# Allegro board MB1167.brd (continued)
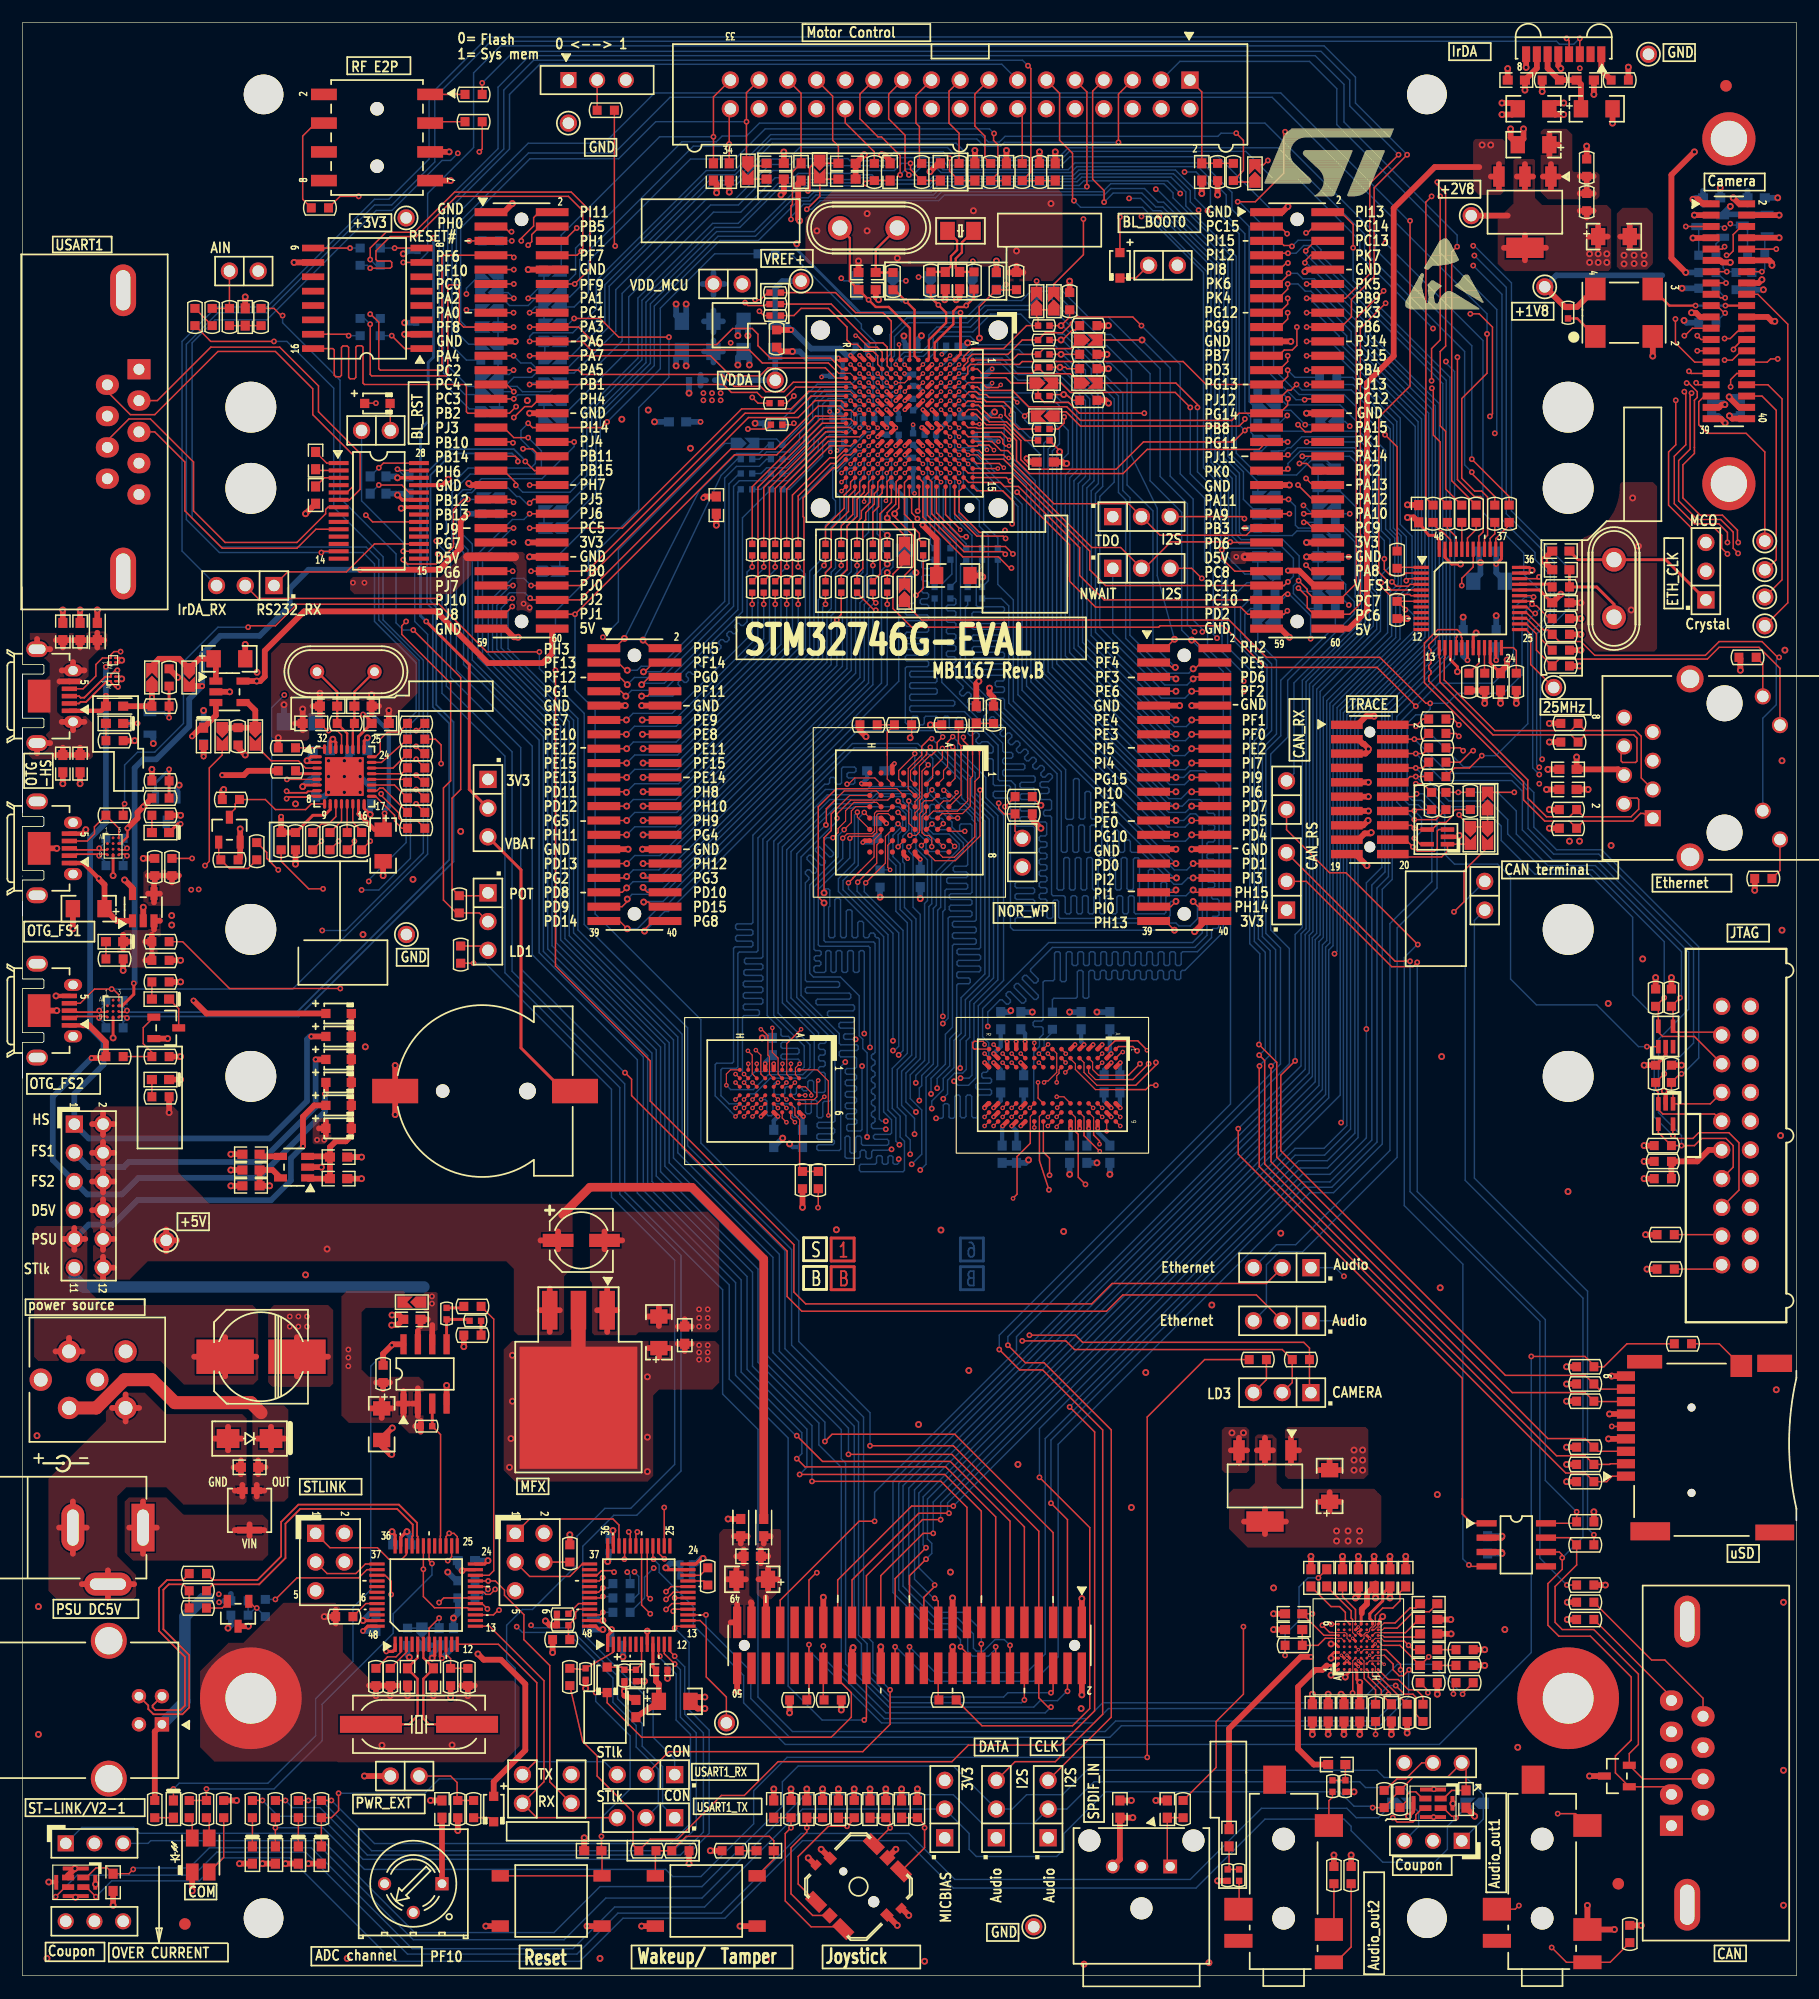
[diagram p0: board, top side]
## Routing (per net, layer and track width the routed paths; a pad name or vN(x,y) marks a point on that pad's centre or on a via; arc(x,y) is an arc through that point) (continued)
  TOP w0.127: U22.42 50.92,33.9 v1(51.31,34.29)
  BOTTOM w0.127: v1(51.31,34.29) 51.82,34.29 R290.2
NETR291_2: length 2.2
  TOP w0.127: v1(51.31,33.53) 51.18,33.53 51.06,33.41 U22.43
  BOTTOM w0.127: v1(51.31,33.53) 52.07,33.53 R291.2
NETR292_2: length 2.7
  TOP w0.127: U21.20 40.91,34.41 v1(41.15,34.16)
  BOTTOM w0.127: R292.2 40.39,33.4 v1(41.15,34.16)
NETR293_1: length 4.3
  TOP w0.127: T3.1 20.59,32.51 v1(20.7,32.51)
  BOTTOM w0.127: R294.1 v1(20.7,32.51) 20.57,32.51 R296.2 R293.1
NETR295_2: length 2.2
  TOP w0.127: v1(51.31,32.13) 51.08,31.9 U22.46
  BOTTOM w0.127: R295.2 v1(51.31,32.13)
NETSB9_2: length 57.9
  TOP w0.127: 91.31,138.3 92.27,138.3 93.54,137.03 107.57,137.03 108.08,137.54 v1(108.08,137.67) ; v1(126.87,143.13) 126.87,132.31 128.37,130.81 128.91,130.81 129.16,130.56 129.16,127.69 128.77,127.29 U6.41
  L4_SIG w0.102: v1(108.08,137.67) 108.2,137.54 112.01,137.54 112.27,137.79 112.27,138.89 113.46,140.08 116.46,140.08 117.96,141.58 125.45,141.58 126.87,143 v1(126.87,143.13)
NETSB14_1: length 117.9
  TOP w0.127: SB14.1 17.65,107.95 16.51,106.81 16.51,98.55 v1(16.13,98.17) ; v1(55.5,32) 54.73,32.77 U22.30
  L4_SIG w0.102: v1(55.5,32) 52.96,29.46 41.4,29.46 37.44,33.43 34.35,33.43 31.11,36.67 31.11,61.63 27.94,64.81 27.94,86.84 27.66,87.12 27.66,93.37 22.55,98.48 16.43,98.48 v1(16.13,98.17)
NETSB15_1: length 6.3
  TOP w0.127: SB15.1 21.97,107.44 24.38,107.44 25.03,106.8 U8.3
NETSB18_1: length 87.2
  TOP w0.089: U23.D3 117.61,27.84 117.61,26.67
  TOP w0.127: SB18.1 129.54,99.8 127.46,97.71 127.46,94.97 v1(126.57,94.08) ; 117.61,26.67 117.61,25.01 v1(117.6,24.99)
  L4_SIG w0.089: 117.73,26.67 117.73,28.7 117.09,29.34 117.09,30.89 116.48,31.5
  L4_SIG w0.102: v1(126.57,94.08) 126.57,93.7 123.1,90.23 122.49,90.23 118.26,86 118.26,78 116,75.74 116,49.4 113.41,46.81 113.41,34.57 116.48,31.5 ; 117.73,26.67 117.73,25.12 v1(117.6,24.99)
NETSB20_2: length 139.7
  TOP w0.127: U25.3 3.77,7.83 v1(2.92,6.99) ; U24.3 123.78,14.82 123.19,14.22 123.19,13.84 122.94,13.59 121.54,13.59 v1(121.16,13.97)
  BOTTOM w0.127: v1(2.92,6.99) 4.83,8.89 15.14,8.89 17.17,10.92 25.02,10.92 34.04,1.91 49.01,1.91 52.64,5.53 61.79,5.53 68.83,12.57 78.37,12.57 82.43,8.51 103.25,8.51 109.54,14.8 117.09,14.8 117.92,13.97 119.89,13.97 SB20.2 v1(121.16,13.97)
NETSB21_1: length 143.6
  TOP w0.127: U24.4 125.65,14.82 126.36,14.1 126.62,14.1 v1(126.75,13.97) ; U25.4 5.63,7.83 v1(6.48,6.99)
  BOTTOM w0.127: v1(6.48,6.99) 7.87,8.38 15.62,8.38 17.65,10.41 23.62,10.41 32.77,1.27 49.28,1.27 53.09,5.08 62.1,5.08 68.96,11.94 78.11,11.94 82.3,7.75 103.76,7.75 109.86,13.84 116.84,13.84 117.47,13.21 117.47,12.83 120.27,10.03 124.84,10.03 125.98,11.18 125.98,13.21 v1(126.75,13.97) 127.51,14.73 127.51,15.11 127.64,15.24
NETSB32_1: length 204.1
  TOP w0.089: U23.E4 118.61,28.83 118.96,28.83 118.96,28.83 119.26,28.83 119.26,28.83 119.46,28.83 119.46,28.83 119.76,28.83 119.76,28.83 120.4,28.83
  TOP w0.127: v1(121.84,27.05) 121.84,27.53 120.55,28.83 120.4,28.83
  L4_SIG w0.102: v1(36.7,125.73) 37.03,126.06 37.03,127.43 35.86,128.6 35.86,143.12 38.61,145.86 38.61,146.81 39.12,147.32 v1(39.24,147.32)
  BOTTOM w0.127: v1(121.84,27.05) 121.92,26.97 121.92,24.83 119.6,22.52 96.65,22.52 95.72,21.59 68.07,21.59 65.02,24.64 65.02,48.31 61.9,51.44 61.9,60.66 53.24,69.32 53.24,78.87 43.28,88.82 43.28,108.23 37.47,114.05 37.47,124.97 v1(36.7,125.73) ; v1(39.24,147.32) SB32.1
NETSB36_1: length 139.1
  TOP w0.127: v1(129.49,145.19) 129.49,141.71 127.25,139.47 127.25,132.44 128.4,131.29 129.01,131.29 129.54,130.76 129.54,127.38 129.27,127.11 U6.40
  BOTTOM w0.127: SB36.1 40.5,144.28 39.44,144.28 38.35,145.36 38.35,154.81 44.73,161.19 52.32,161.19 57.25,166.12 110.49,166.12 121.41,155.19 121.41,155.04 129.49,146.96 v1(129.49,145.19)
NETSB47_2: length 107.9
  TOP w0.127: v1(127.25,122.94) 127.25,123.57 128.27,124.58 U6.42
  L4_SIG w0.102: v1(51.31,118.36) 51.82,118.87 56.69,118.87 58.65,116.92 76.3,116.92 76.66,116.56 98.6,116.56 101.32,119.28 108.76,119.28 111.05,116.99 116.92,116.99 122.86,122.94 v1(127.25,122.94)
  BOTTOM w0.127: v1(51.31,118.36) 52.68,119.74 52.68,126.09 62.1,135.51 SB47.2
NETSB49_1: length 107.3
  TOP w0.127: v1(107.49,74.9) 107.49,72.64 127.3,52.83 127.3,42.16
  TOP w0.155: U20.1 128.14,40.01 127.3,40.84 127.3,42.16
  BOTTOM w0.127: v1(107.49,74.9) 113.04,80.45 113.04,92.14 113.49,92.58 113.49,114.43 118.72,119.66 118.72,121.97 118.41,122.28 118.41,126.95 117.88,127.48 117.88,129.9 SB49.1
NETTP12_1: length 6.7
  TOP w0.127: TP12.1 133.35,115.95 133.35,118.62 132.93,119.04 U6.25
NETU22_15: length 78.7
  TOP w0.089: U23.G3 119.61,28.33 120.4,28.33
  TOP w0.127: 120.4,28.33 120.41,28.33 121.18,27.56 121.18,27.05 121.72,26.52 122.07,26.52 v1(122.61,27.05) ; U22.15 v1(60.42,31.9)
  BOTTOM w0.127: v1(122.61,27.05) 122.56,27 122.56,24.64 120.02,22.1 97.16,22.1 96.14,21.08 67.82,21.08 64.39,24.51 64.39,26.92 60.42,30.89 v1(60.42,31.9)
OSC_IN: length 11.5
  TOP w0.203: X6.2 34.16,22.23 34.92,22.99 34.92,26.25 34.04,27.14 C80.1 34.04,27.22 34.94,28.12 U21.5
OSC_OUT: length 11.9
  TOP w0.203: 39.81,22.23 X6.1 35.94,22.23 35.43,22.73 35.43,26.25 36.32,27.14 C81.1 36.32,27.22 35.44,28.1 U21.6
PA0: length 41
  TOP w0.127: CN5.15 v1(43.41,147.07) ; v5(74.01,141.69) U4.N3
  L4_SIG w0.102: v1(43.41,147.07) 44.07,146.41 45.01,146.41 45.75,145.67 49.96,145.67 52.12,143.51 59.74,143.51 61.42,141.83 63.7,141.83 65.53,140 67.44,140 69.19,141.76 73.94,141.76 v5(74.01,141.69)
  BOTTOM w0.127: SB32.2 SB34.2 SB36.2 ; 42.29,147.07 v1(43.41,147.07)
PA1: length 37.7
  TOP w0.127: CN5.14 v1(44.7,148.34) ; U4.N2 v5(74.01,142.49)
  L4_SIG w0.102: v1(44.7,148.34) 51.05,148.34 53.52,145.87 64.06,145.87 65.41,144.53 68.58,144.53 69.6,143.51 72.48,143.51 73.06,142.93 73.57,142.93 v5(74.01,142.49)
  BOTTOM w0.127: v1(44.7,148.34) 45.59,149.22 SB29.2 SB23.2
PA2: length 38
  TOP w0.127: CN5.13 v1(43.43,148.34) ; U4.P2 v5(73.21,142.49)
  L4_SIG w0.102: v1(43.43,148.34) 44.07,147.7 50.93,147.7 53.11,145.52 61.49,145.52 v1(62.61,144.4) 62.99,144.02 66.16,144.02 67.53,142.65 73.05,142.65 v5(73.21,142.49)
  BOTTOM w0.127: v1(43.43,148.34) 42.93,148.84 SB30.2 SB24.2
PA3: length 108.4
  TOP w0.127: R88.2 34.92,110.11 v1(34.8,110.11) ; v1(44.83,145.8) CN5.18 49.15,145.8 50.7,144.25 61.37,144.25 62.79,145.67 64.52,145.67 65.02,145.16 65.02,144.15 66.12,143.05 71.45,143.05 72.42,142.09 U4.R2
  L4_SIG w0.102: v1(34.8,110.11) 35.1,110.11 35.35,110.36 35.35,110.5 34.81,111.05 34.81,111.19 34.96,111.33 35.1,111.33 35.64,110.79 35.79,110.79 35.93,110.94 35.93,111.08 35.39,111.62 35.39,111.77 35.53,111.91 35.68,111.91 36.22,111.37 36.36,111.37 36.5,111.51 36.5,111.65 35.96,112.2 35.96,112.34 36.11,112.48 36.25,112.48 36.79,111.94 36.94,111.94 37.08,112.09 37.08,112.23 36.54,112.77 36.54,112.92 36.68,113.06 36.83,113.06 37.37,112.52 37.51,112.52 37.8,112.8 37.8,130.66 37.08,131.37 37.08,138.15 37.8,138.86 37.8,142.65 38.1,142.95 42.81,142.95 42.93,143.07 42.93,143.24 42.81,143.36 39.12,143.36 38.99,143.48 38.99,143.69 39.12,143.81 43.06,143.81 43.18,143.93 43.18,144.1 43.06,144.22 39.87,144.22 39.75,144.34 39.75,144.51 39.87,144.63 42.93,144.63 43.05,144.75 43.05,144.91 42.93,145.03 40.51,145.03 40.39,145.15 40.39,145.32 40.51,145.44 42.81,145.44 42.93,145.56 42.93,145.73 42.81,145.85 40.51,145.85 40.39,145.97 40.39,146.18 40.51,146.3 43.69,146.3 44.2,145.8 v1(44.83,145.8)
PA4: length 162.7
  TOP w0.127: U4.N4 v5(74.01,140.89) ; CN4.31 147.54,141.69 v1(147.35,141.88) ; CN5.21 v1(43.41,143.26)
  L4_SIG w0.102: v5(74.01,140.89) 71.24,140.89 69.48,139.13 64.25,139.13 62.51,140.87 58.19,140.87 56.57,142.49 51.61,142.49 50.22,143.89 44.04,143.89 v1(43.41,143.26) ; v1(147.35,141.88) 145.41,143.81 143.89,143.81 141.63,146.08 125.12,146.08 v1(124.71,145.67)
  BOTTOM w0.127: v1(43.41,143.26) 44.04,142.62 44.96,142.62 45.42,142.16 48.18,142.16 51.87,145.85 51.87,149.4 60.83,158.37 63.12,158.37 65.41,160.66 67.69,160.66 68.71,161.67 81.79,161.67 82.93,160.53 91.74,160.53 92.55,161.33 108.16,161.33 110.57,158.93 112.75,158.93 118.24,153.44 118.24,152.15 v1(124.71,145.67)
PA5: length 108.9
  TOP w0.127: U4.P4 73.61,140.49 73.18,140.92 68.15,140.92 67.31,140.08 65.71,140.08 65.24,140.55 62.9,140.55 61.85,141.6 49.53,141.6 49.15,141.99 CN5.24 v1(44.83,141.99) ; R126.2 v1(30.73,100.33)
  L4_SIG w0.102: v1(30.73,100.33) 32.46,100.33 32.59,100.46 32.59,108.97 32.72,109.09 34.54,109.09 38.18,112.73 38.18,135.11 38.07,135.21 37.52,135.21 37.41,135.31 37.41,135.51 37.52,135.62 38.07,135.62 38.18,135.72 38.18,135.92 38.07,136.02 37.52,136.02 37.41,136.12 37.41,136.33 37.52,136.43 38.07,136.43 38.18,136.53 38.18,136.73 38.07,136.83 37.52,136.83 37.41,136.94 37.41,137.14 37.52,137.24 38.07,137.24 38.18,137.34 38.18,137.55 38.07,137.65 37.52,137.65 37.41,137.75 37.41,137.95 37.52,138.05 38.07,138.05 38.18,138.16 38.18,141.55 38.23,141.6 42.67,141.6 42.8,141.73 42.8,142.04 42.68,142.16 38.2,142.16 38.1,142.27 38.1,142.49 38.23,142.62 49.15,142.62 49.28,142.49 49.28,142.11 49.15,141.99 v1(44.83,141.99)
PA6: length 109.3
  TOP w0.102: 71.63,142.24 72.16,141.71 73.19,141.71 U4.P3
  TOP w0.127: SB5.2 107.19,158.62 R14.2 107.95,159.64 107.95,162.31 v1(107.31,162.94) ; 71.63,142.24 71.25,142.62 65.41,142.62 64.26,143.76 50.27,143.76 49.5,144.53 CN5.20 v1(44.83,144.53)
  BOTTOM w0.127: v1(107.31,162.94) 105.97,162.94 105.69,162.66 86.87,162.66 86.36,162.15 85.39,162.15 84.73,162.81 66.14,162.81 62.97,159.64 60.45,159.64 50.72,149.91 50.72,147.37 48.64,145.29 45.15,145.29 44.83,144.97 v1(44.83,144.53)
PA7: length 32
  TOP w0.127: v1(44.83,143.26) CN5.22 60.83,143.26 62.61,141.48 65.2,141.48 65.91,142.19 70.98,142.19 71.88,141.29 U4.R3
  BOTTOM w0.127: 46.18,144.45 46.18,143.18 44.91,143.18 v1(44.83,143.26)
PA8: length 49.2
  TOP w0.127: v1(86.89,125.7) 86.66,125.93 83.24,125.93 80.01,129.16 U4.F15 ; CN6.52 114.02,124.21 v1(113.49,124.74)
  L4_SIG w0.102: v1(113.49,124.74) 113.03,125.2 113.03,127.13 110.49,129.67 106.88,129.67 103.68,126.47 89.18,126.47 88.01,125.3 87.3,125.3 v1(86.89,125.7)
  BOTTOM w0.127: v1(113.49,124.74) 114.27,123.95 SB60.2 SB57.2 SB56.2
PA9: length 41.4
  TOP w0.127: U4.E15 80.81,129.38 82.93,127.25 v1(83.44,127.25) ; CN6.43 v1(112.01,129.29)
  L4_SIG w0.102: v1(112.01,129.29) 111.76,129.29 110.74,130.3 106.32,130.3 103.05,127.03 88.8,127.03 88.16,126.39 85.93,126.39 85.07,127.25 v1(83.44,127.25)
  BOTTOM w0.127: v1(112.01,129.29) SB54.2 R261.1
PA10: length 302
  TOP w0.127: v1(45.69,117.07) 41.05,117.07 36.83,121.28 24.26,121.28 22.35,119.38 20.07,119.38 v1(19.94,119.25) ; v1(76.71,25.27) 76.71,22.23 74.3,19.81 57.15,19.81 JP14.2 ; R117.2 8.89,103.5 v1(9.02,103.63) ; U4.D15 81.61,129.21 82.91,127.91 v5(82.91,127.86) ; v1(113.28,129.29) CN6.44
  L4_SIG w0.102: v1(45.69,117.07) 45.95,117.32 46.41,117.32 49.73,120.65 57.91,120.65 59.82,118.75 96.14,118.75 98.3,120.9 108.66,120.9 110.46,122.71 112.12,122.71 112.6,122.22 112.98,122.22 114.07,123.32 114.07,128.6 113.39,129.29 v1(113.28,129.29) 112.67,129.29 112.17,129.79 111.73,129.79 110.87,130.66 106.2,130.66 102.87,127.33 88.67,127.33 88.01,126.67 86.39,126.67 85.19,127.86 v5(82.91,127.86)
  BOTTOM w0.127: v1(9.02,103.63) 9.02,107.06 10.16,108.2 11.68,108.2 14.22,110.74 14.22,116.2 17.27,119.25 v1(19.94,119.25) ; v1(45.69,117.07) 45.69,115.6 49.66,111.63 49.66,92.96 58.8,83.82 58.8,73.41 68,64.21 68,55.75 74.36,49.39 74.36,30.29 75.18,29.46 75.18,26.8 v1(76.71,25.27)
PA11: length 204
  TOP w0.127: U4.C15 82.41,129.27 84.38,127.3 86.72,127.3 v1(86.92,127.1) ; v1(111.94,130.56) CN6.41
  TOP w0.155: D5.D3 8.56,99.18 9.09,99.18 v1(9.23,99.04)
  L4_SIG w0.102: v1(86.92,127.1) 87.12,127.3 87.6,127.3 88.01,127.71 102.41,127.71 105.74,131.04 111.46,131.04 v1(111.94,130.56)
  L4_SIG w0.13: v1(9.23,99.04) 9.37,99.18 9.97,99.18 10.41,99.62 24.02,99.62 25.62,98.02 33.43,98.02 38.43,103.02 38.43,105.15 48.26,114.98 48.26,117.09 50.63,119.46 57.35,119.46 59.05,117.75 97.06,117.75 99.4,120.09 109.23,120.09 110.47,121.34 113.44,121.34 115.19,123.09 115.19,130.18 114.38,130.99 112.98,130.99 112.5,130.51 111.99,130.51 v1(111.94,130.56)
  BOTTOM w0.127: v1(111.94,130.56) 112.55,129.95 112.55,128.27 112.8,128.02 116.59,128.02 117.83,126.77 117.83,121.95 118.11,121.67 118.11,120.02 112.42,114.33 112.42,106.32 JP8.1 ; v1(9.23,99.04) 8.89,98.7 R284.2
  BOTTOM w0.155: 110.74,130.56 v1(111.94,130.56)
PA12: length 43.7
  TOP w0.127: CN6.42 114.05,130.56 v1(112.78,131.83) ; v1(86.87,127.81) 86.69,127.64 84.61,127.64 82.8,129.44 82.8,131.28 U4.B15
  L4_SIG w0.102: v1(86.87,127.81) 87.05,127.64 87.48,127.64 87.86,128.02 102.23,128.02 105.54,131.32 112.27,131.32 v1(112.78,131.83)
  BOTTOM w0.127: v1(112.78,131.83) 114.43,130.18 SB52.2 SB49.2 SB48.2
PA13: length 272.4
  TOP w0.127: v1(113.49,132.41) 114.07,131.83 CN6.40 ; U21.25 38.44,38.82 38.14,39.12 v1(37.72,39.12) 37.44,38.83 U21.27 ; v1(127,110.62) 126.49,111.12 R86.2 ; v1(87.5,128.4) 87.63,128.52 87.63,130.35 86.66,131.32 84.38,131.32 U4.A15 ; v1(150.75,125.73) 150.24,126.24 150.24,127.38 149.61,128.02 147.57,128.02 145.54,130.05 145.54,134.75 146.18,135.38 v1(146.18,139.32)
  L4_SIG w0.102: v1(146.18,139.32) 146.08,139.22 145.9,139.22 140.11,145.01 132.84,145.01 120.24,132.41 v1(113.49,132.41) 113.13,132.77 111.46,132.77 111.12,133.1 98.45,133.1 94.59,129.24 88.34,129.24 v1(87.5,128.4) ; v1(37.72,39.12) 37.72,37.74 39.62,35.84 39.62,34.8 40.82,33.6 41.66,33.6 42.62,32.64 48.34,32.64 49.53,33.83 49.53,38.38 51.92,40.77 57.28,40.77 58.17,41.66 74.07,41.66 75.79,43.38 77.9,43.38 114.4,79.88 114.4,88.06 125.96,99.62 125.96,100.43 126.9,101.37 127.76,101.37 129.06,102.67 129.06,104.88 126.49,107.44 126.49,110.11 v1(127,110.62) 132.08,110.62 133.73,112.27 135.27,112.27 139.74,116.74 142.48,116.74 146.16,120.42 149.69,120.42 150.75,121.48 v1(150.75,125.73)
PA14: length 269.8
  TOP w0.127: v1(42.13,32.32) 42.11,32.31 42.04,32.31 41.63,31.9 U21.15 ; U21.26 37.94,37.05 v1(37.59,36.7) ; v1(127,109.6) 126.75,109.86 R93.2 ; CN6.36 v1(113.16,134.37) ; U4.A14 86.98,132.49 87.28,132.18 v1(87.35,132.18) ; v1(150.75,126.75) 150.75,127.64 149.99,128.4 147.83,128.4 146.05,130.18 146.05,134.37 147.07,135.38 147.07,139.95 v1(146.94,140.08)
  L4_SIG w0.102: v1(146.94,140.08) 145.54,140.08 140.31,145.31 132.54,145.31 121.59,134.37 v1(113.16,134.37) 112.78,134.37 112.01,135.13 97.74,135.13 94.75,132.14 87.39,132.14 v1(87.35,132.18) ; v1(150.75,126.75) 151.26,126.24 151.26,121.63 149.8,120.17 146.27,120.17 142.58,116.48 139.84,116.48 135.37,112.01 133.99,112.01 132.11,110.13 127.53,110.13 v1(127,109.6) 126.9,109.5 126.9,107.59 129.46,105.03 129.46,102.41 114.81,87.76 114.81,79.68 78.08,42.95 76.12,42.95 72.54,39.37 56.13,39.37 55.12,40.39 52.02,40.39 49.89,38.25 49.89,33.68 48.53,32.32 v1(42.13,32.32) 42.05,32.32 41.86,32.51 41.86,32.84 41.43,33.27 40.64,33.27 38.23,35.69 38.23,36.07 v1(37.59,36.7)
PA15: length 266.8
  TOP w0.127: v1(112.78,137.16) 113.41,136.53 113.92,136.53 114.3,136.91 CN6.32 ; U21.17 40.63,32.9 v1(41.1,32.44) ; R101.2 127.13,107.31 128.14,108.33 v1(128.27,108.33) ; v1(151.7,126.75) 151.64,126.81 151.64,127.82 150.3,129.16 148.34,129.16 146.81,130.68 146.81,133.6 147.83,134.62 147.83,134.84 147.83,139.32 148.08,139.57 148.08,140.07 147.31,140.84 v1(147.14,140.84) ; U4.A13 v5(86.23,133.29)
  L4_SIG w0.102: v1(151.7,126.75) 151.7,126.68 152.27,126.11 152.27,121.59 149.81,119.13 146.3,119.13 142.9,115.72 140.16,115.72 135.69,111.25 134.37,111.25 132.14,109.03 128.59,109.03 128.27,108.71 v1(128.27,108.33) 128.14,108.2 128.14,107.64 130.07,105.71 130.07,102.01 115.44,87.38 115.44,79.27 74.85,38.68 55.8,38.68 54.74,39.75 53.34,39.75 50.77,37.19 50.77,33.25 48.39,30.86 45.97,30.86 45.19,31.65 41.78,31.65 41.1,32.33 v1(41.1,32.44) ; v5(86.23,133.29) 86.55,132.97 94.06,132.97 97.23,136.14 108.46,136.14 109.09,136.78 112.27,136.78 112.65,137.16 v1(112.78,137.16) 114.43,135.51 122.12,135.51 132.36,145.75 140.28,145.75 145.19,140.84 v1(147.14,140.84)
PAR_D0: length 120.4
  TOP w0.127: v1(112.81,122.71) 113.59,121.93 113.59,120.98 114.17,120.4 CN6.58 117.35,120.4 118.29,121.34 118.29,145.67 v1(120.52,147.9) ; U4.H15 78.41,130.81 78.61,130.61 78.61,129.36 v1(79.12,128.85) ; v1(146.94,145.03) 146.99,145.03 147.65,145.69 CN4.23 ; JP4.3 107.86,129.03 v1(108.04,128.85)
  L4_SIG w0.102: v1(112.81,122.71) 112.81,122.72 112.39,123.14 112.39,126.87 110.41,128.85 v1(108.04,128.85) 108.03,128.84 107.53,128.84 107.31,128.63 107.31,126.62 106.22,125.53 89.76,125.53 88.19,123.95 87.2,123.95 86,125.15 83.34,125.15 79.63,128.85 v1(79.12,128.85) ; v1(120.52,147.9) 122.56,147.9 123.01,147.45 141.99,147.45 144.17,145.26 146.71,145.26 v1(146.94,145.03)
  BOTTOM w0.127: v1(112.81,122.71) 112.88,122.71 113.16,122.43 SB62.1
PAR_D1: length 174.2
  TOP w0.127: v1(150.5,144.78) 151,144.78 151.64,145.41 152.17,145.41 CN4.24 ; v1(79.15,129.51) 79.27,129.64 79.27,131.62 U4.G15 ; CN1.7 94.61,166.65 94.61,158.88 95.63,157.86 v1(95.63,156.84) ; v1(112.83,123.37) 113.59,122.61 113.59,122.38 114.3,121.67 CN6.56 116.46,121.67 117.93,123.14 117.93,146.58 v1(120.35,149)
  L4_SIG w0.102: v1(112.83,123.37) 112.65,123.55 112.65,127.13 110.44,129.34 107.24,129.34 104.04,126.14 89.43,126.14 88.27,124.97 86.87,124.97 86.39,125.45 83.52,125.45 79.45,129.51 v1(79.15,129.51) ; v1(150.5,144.78) 150.26,144.55 147.8,144.55 147.45,144.91 147.45,145.36 146.93,145.87 144.2,145.87 142.04,148.03 123.27,148.03 122.3,149 v1(120.35,149)
  BOTTOM w0.127: v1(95.63,156.84) 96.43,157.65 98.97,157.65 100.2,156.41 100.81,156.41 105.82,151.41 105.82,134.09 107.29,132.61 107.29,127.46 107.75,127 111.43,127 112.88,125.55 112.88,123.47 112.83,123.42 v1(112.83,123.37) 112.37,122.91 112.37,122.23 113.7,120.9 R280.1
PAR_D2: length 140.5
  TOP w0.127: v1(106.05,126.09) 106.05,125.35 107.19,124.21 CN6.51 ; v1(148.08,145.03) 148.42,144.69 CN4.25 ; U4.G14 79.61,132.09 79.61,129 83.13,125.48 86.28,125.48 87.27,124.49 v1(87.44,124.49)
  L4_SIG w0.102: v1(106.05,126.09) 105.79,125.83 89.61,125.83 88.27,124.49 v1(87.44,124.49) ; v1(148.08,145.03) 148.59,145.54 148.59,156.08 148.08,156.59 147.45,156.59 146.1,157.94 124.79,157.94 124.49,158.24 107.57,158.24 105.99,156.67 100.03,156.67 v1(98.93,155.57)
  BOTTOM w0.127: v1(98.93,155.57) 99.47,155.57 104.42,150.62 104.42,133.35 105.94,131.83 105.94,126.19 v1(106.05,126.09) 106.05,125.98 108.08,123.95 SB61.1 SB58.1
PAR_D3: length 94.9
  TOP w0.127: v1(151.28,143.81) 151.28,143.89 152.08,144.69 CN4.26 ; CN6.46 114.07,128.02 113.56,128.52 v1(113.28,128.52) ; U4.F14 80.39,132.11 80.39,129.29 83.29,126.39 86.91,126.39 v1(87.57,125.73)
  L4_SIG w0.102: v1(151.28,143.81) 151.64,143.46 151.64,142.49 151.13,141.99 149.86,141.99 148.87,141 148.87,140.21 147.03,138.37 145.81,138.37 139.9,144.27 133.35,144.27 118.36,129.29 v1(117.35,129.29) ; v1(87.57,125.73) 87.96,125.73 88.95,126.72 103.3,126.72 106.55,129.97 110.59,129.97 112.04,128.52 v1(113.28,128.52)
  BOTTOM w0.127: v1(117.35,129.29) 115.6,129.29 115.34,129.03 114.94,129.03 R260.2 114.43,128.52 v1(113.28,128.52)
PAR_D4: length 149.5
  TOP w0.127: U4.B13 83.61,132.89 87.46,132.89 94.36,125.98 94.36,124.33 95.76,122.94 CN6.53 111.56,122.94 v1(111.89,123.27) ; CN4.27 v1(148.08,143.69)
  L4_SIG w0.102: v1(97.84,157.18) 98.04,156.97 101.07,156.97 102.35,158.25 102.88,158.25 103.76,159.13 125.48,159.13 126.29,158.32 147.24,158.32 148.99,156.57 148.99,146.23 149.93,145.29 150.62,145.29 151,144.91 151,144.65 150.11,143.76 148.15,143.76 v1(148.08,143.69)
  BOTTOM w0.127: v1(97.84,157.18) 98.86,157.18 99.95,156.08 100.63,156.08 105.44,151.28 105.44,133.93 106.96,132.41 106.96,127.28 107.62,126.62 111.1,126.62 112.37,125.35 112.37,123.75 v1(111.89,123.27) 111.56,122.94 R275.2
PAR_D5: length 80.1
  TOP w0.127: CN6.23 111.1,141.99 111.86,142.75 v1(111.86,143.26) ; CN4.28 152,143.69 151.18,142.88 v1(150.5,142.88) ; v5(82.81,134.49) U4.C11
  L4_SIG w0.102: v5(82.81,134.49) 83.35,135.03 84.68,135.03 86.06,136.4 94.36,136.4 98.42,140.46 107.95,140.46 110.74,143.26 v1(111.86,143.26) 112.78,143.26 113.27,142.77 120.41,142.77 124.13,146.48 141.81,146.48 144.07,144.22 145.72,144.22 147.07,142.88 v1(150.5,142.88)
PAR_D6: length 73.2
  TOP w0.127: CN4.29 147.86,142.69 146.15,144.4 v1(146.15,146.51) ; v1(93.8,155.35) 93.8,152.2 91.19,149.58 SB4.1
  L4_SIG w0.102: v1(93.8,155.35) 94.26,154.89 107.52,154.89 109.68,157.05 113.46,157.05 116.26,154.25 128.42,154.25 129.54,153.14 129.54,149.94 131.06,148.41 142.54,148.41 144.45,146.51 v1(146.15,146.51)
PAR_D7: length 60.8
  TOP w0.127: CN4.30 154.28,142.69 154.56,142.98 v1(155.19,142.98) ; SB16.1 v1(131.9,104.65)
  L4_SIG w0.102: v1(155.19,142.98) 155.63,142.98 155.93,142.67 155.93,118.72 153.82,116.61 146.43,116.61 143.13,113.31 141.33,113.31 136.22,108.2 133.96,108.2 131.9,106.15 v1(131.9,104.65)
PAR_D8: length 249.4
  TOP w0.127: v1(111.86,122.17) 111.58,122.17 111.07,121.67 CN6.55 95.63,121.67 93.47,123.83 93.47,126.28 88.06,131.7 86.81,131.7 86.45,132.06 83.64,132.06 U4.B14 ; v1(29.72,157.35) 28.07,157.35 R16.2 ; v1(150.5,152.91) 150.28,152.69 CN4.9
  L4_SIG w0.102: v1(113.89,118.24) 113.89,120.14 116.23,122.48 116.23,126.16 133.78,143.71 139.47,143.71 145.71,137.48 147.66,137.48 150.22,140.03 150.22,140.77 150.52,141.07 152.04,141.07 152.65,141.68 152.65,145.16 151.38,146.43 150.5,146.43 150.11,146.81 150.11,149.99 150.37,150.24 151.13,150.24 151.51,150.62 151.51,152.4 151,152.91 v1(150.5,152.91) 150.5,153.03 149.73,153.8 149.73,156.84 147.57,159 126.87,159 126.11,159.77 121.67,159.77 119.89,161.54 108.58,161.54 106.68,159.64 103.63,159.64 102.74,158.75 102.36,158.75 100.84,157.23 98.55,157.23 97.56,158.22 96.16,158.22 94.11,160.27 83.19,160.27 81.66,161.8 66.8,161.8 66.04,161.04 43.43,161.04 42.55,160.15 35.69,160.15 32.89,157.35 v1(29.72,157.35)
  BOTTOM w0.127: R281.2 111.23,121.39 111.23,121.54 v1(111.86,122.17) 111.99,122.17 113.89,120.27 v1(113.89,118.24)
PAR_D9: length 236.1
  TOP w0.127: CN16.5 v1(140.52,48.57) ; v1(107.44,156.88) 109,156.88 111.51,159.38 111.51,162.94 v1(111.63,163.07) ; v1(155.07,152.69) CN4.10 ; v5(86.76,133.35) 86.74,133.35 86.36,133.73 84.37,133.73 U4.A12 ; CN6.28 113.44,139.45 v1(113.36,139.37)
  L4_SIG w0.102: v1(140.52,48.57) 142.24,50.29 142.24,100.58 139.95,102.87 139.95,111.48 141.43,112.95 143.21,112.95 146.43,116.18 154,116.18 156.24,118.41 156.24,151.49 155.07,152.65 v1(155.07,152.69) 154.46,152.69 152.39,154.76 152.39,158 151,159.38 149.61,159.38 148.51,160.48 127.81,160.48 126.62,161.67 121.41,161.67 120.02,163.07 v1(111.63,163.07) ; v5(86.76,133.35) 86.77,133.35 89.79,133.35 90.55,134.11 91.85,134.11 92.2,134.47 94.97,134.47 97.36,136.86 107.14,136.86 107.44,137.16 112.14,137.16 112.66,137.68 112.66,138.67 v1(113.36,139.37)
  BOTTOM w0.127: v1(113.36,139.37) 112.6,139.37 109.65,142.32 109.65,154.8 107.57,156.88 v1(107.44,156.88)
PAR_D10: length 115.6
  TOP w0.102: 85.09,134.11 84.84,134.11 84.45,134.49 83.62,134.49 v5(83.61,134.49)
  TOP w0.127: CN4.5 147.07,154.69 v1(147.07,154.69) ; 85.09,134.11 86.74,134.11 94.55,126.3 97.09,126.3 JP5.2 99.19,124.46 101.52,126.8 v1(106.78,126.8) 106.83,126.75 CN6.47 ; v5(83.61,134.49) U4.B11
  L4_SIG w0.102: v1(147.07,154.69) 147.07,155.57 145.34,157.3 125.93,157.3 125.22,156.59 124.08,156.59 123.32,157.35 109.17,157.35 107.04,155.22 100.86,155.22 v1(100.51,155.57)
  BOTTOM w0.127: v1(100.51,155.57) 100.69,155.57 105.08,151.18 105.08,133.83 106.63,132.28 106.63,126.95 v1(106.78,126.8)
PAR_D11: length 111.8
  TOP w0.127: v1(87.93,131.19) 92.58,126.54 92.58,123.32 94.87,121.03 107.7,121.03 108.33,120.4 CN6.57 111.53,120.4 v1(111.84,120.7) ; CN4.6 151.98,154.69 151.26,153.97 151.26,152.53 150.88,152.15 v1(150.67,152.15) ; v5(82.01,133.69) U4.D12
  L4_SIG w0.102: v1(111.84,120.7) 111.86,120.7 112.01,120.85 113.94,120.85 115.77,122.68 115.77,126.26 133.48,143.97 139.73,143.97 145.8,137.9 147.4,137.9 149.66,140.16 149.66,141.07 150.19,141.6 151.49,141.6 152.27,142.39 152.27,144.91 151.13,146.05 150.37,146.05 149.73,146.69 149.73,151.18 150.67,152.12 v1(150.67,152.15) ; v1(87.93,131.19) 87.73,131.19 87.17,131.75 86.71,132.21 84.89,132.21 83.85,133.24 82.45,133.24 v5(82.01,133.69)
  BOTTOM w0.127: v1(111.84,120.7) 111.56,120.42 111.56,120.4 SB63.2
PB0: length 109.1
  TOP w0.127: U4.R5 69.71,139.69 68.2,138.18 63.88,138.18 49.91,124.21 CN5.52 v1(44.96,124.21) ; R95.2 36.5,109.35 37.01,108.84 v1(37.01,107.19)
  L4_SIG w0.102: v1(37.01,107.19) 41.02,111.2 41.02,114.09 41.12,114.19 42.48,114.19 42.6,114.31 42.6,114.48 42.48,114.6 40.94,114.6 40.84,114.7 40.84,114.9 40.94,115 42.43,115 42.55,115.12 42.55,115.29 42.43,115.41 40.94,115.41 40.84,115.51 40.84,115.72 40.94,115.82 42.45,115.82 42.57,115.94 42.57,116.1 42.45,116.22 40.94,116.22 40.84,116.32 40.84,116.53 40.94,116.63 42.48,116.63 42.6,116.75 42.6,116.92 42.48,117.04 40.94,117.04 40.84,117.14 40.84,117.34 40.94,117.44 42.27,117.44 42.39,117.57 42.39,117.72 42.27,117.85 40.94,117.85 40.84,117.95 40.84,118.15 40.94,118.26 42.27,118.26 42.39,118.38 42.39,118.53 42.27,118.66 40.94,118.66 40.84,118.76 40.84,118.97 40.94,119.07 42.27,119.07 42.39,119.2 42.39,119.35 42.27,119.47 40.94,119.47 40.84,119.58 40.84,119.78 40.94,119.88 42.27,119.88 42.39,120.01 42.39,120.16 42.27,120.29 40.94,120.29 40.84,120.39 40.84,120.59 40.94,120.69 42.27,120.69 42.39,120.82 42.39,120.97 42.27,121.1 40.89,121.1 40.79,121.2 40.79,121.4 40.89,121.51 42.27,121.51 42.39,121.63 42.39,121.79 42.27,121.91 40.89,121.91 40.79,122.01 40.79,122.22 40.89,122.32 42.27,122.32 42.39,122.45 42.39,122.6 42.27,122.73 40.89,122.73 40.79,122.83 40.79,123.03 40.89,123.13 42.27,123.13 42.39,123.26 42.39,123.41 42.27,123.54 40.89,123.54 40.79,123.64 40.79,123.84 40.89,123.94 42.27,123.94 42.39,124.07 42.39,124.25 42.29,124.35 40.97,124.35 40.84,124.48 40.84,124.74 40.97,124.87 48.84,124.87 48.97,124.74 48.97,124.33 48.84,124.21 v1(44.96,124.21)
  BOTTOM w0.127: SB59.2 v1(44.96,124.21)
PB1: length 109.1
  TOP w0.127: v1(44.83,140.72) CN5.26 61.98,140.72 62.67,140.02 64.94,140.02 65.38,139.57 67.44,139.57 68.35,140.49 U4.R4 ; R100.2 35.43,108.08 v1(34.8,108.71)
  L4_SIG w0.102: v1(44.83,140.72) 50.29,140.72 50.42,140.84 50.42,141.07 50.29,141.2 38.63,141.2 38.51,141.07 38.51,140.84 38.63,140.72 42.8,140.72 42.93,140.59 42.93,140.41 42.8,140.29 38.65,140.29 38.53,140.17 38.53,140 38.65,139.88 42.81,139.88 42.93,139.76 42.93,139.59 42.81,139.47 38.63,139.47 38.51,139.35 38.51,139.19 38.63,139.07 43.06,139.07 43.18,138.95 43.18,138.78 43.06,138.66 38.63,138.66 38.51,138.53 38.51,112.42 v1(34.8,108.71)
  BOTTOM w0.127: SB39.2 44.96,140.84 v1(44.83,140.72)
PB2: length 58.6
  TOP w0.127: v1(64.14,136.78) 65.79,136.78 R42.2 ; v1(43.64,138.76) 43.05,138.18 CN5.29 39.37,138.18 39.24,138.3 39.24,140.59 39.12,140.72 30.23,140.72 30.1,140.84 30.1,144.02 29.97,144.15 29.59,144.15 29.46,144.02 29.46,141.35 29.34,141.22 28.96,141.22 28.83,141.35 28.83,143.99 28.7,144.12 28.32,144.12 28.19,143.99 28.19,141.53 28.07,141.4 27.69,141.4 27.56,141.53 27.56,143.76 27.43,143.89 U3.16
  L4_SIG w0.102: v1(43.64,138.76) 53.82,138.76 56.82,135.76 63.12,135.76 v1(64.14,136.78)
PB3: length 30
  TOP w0.127: U4.A10 85.7,135.69 86.51,134.87 87.09,134.87 87.59,134.38 87.59,133.77 91.19,130.18 97.79,130.18 JP4.2 100.58,127.38 108.2,127.38 108.84,128.02 CN6.45
PB4: length 219.6
  TOP w0.102: 85.09,136.49 U4.A9
  TOP w0.127: CN6.24 v1(113.54,141.99) ; v1(41.78,34.16) 41.34,33.72 40.96,33.72 40.78,33.9 U21.19 ; R112.2 124.97,102.23 v1(123.06,102.23) ; v5(87.23,135.82) 87.22,135.82 86.55,136.49 85.09,136.49
  L4_SIG w0.102: v5(87.23,135.82) 87.37,135.69 88.06,135.69 88.38,135.37 88.89,135.37 89.61,136.09 94.69,136.09 98.68,140.08 108.2,140.08 110.74,142.62 112.9,142.62 v1(113.54,141.99) 125.09,141.99 v1(125.86,142.75) ; v1(41.78,34.16) 41.78,33.99 42.82,32.94 48.13,32.94 49.15,33.96 49.15,38.51 51.79,41.15 55.63,41.15 56.9,42.42 73.51,42.42 75.29,44.2 76.48,44.2 87.76,55.47 87.76,56.77 88.65,57.66 89.94,57.66 105.56,73.28 105.56,74.42 107.28,76.14 108.29,76.14 111.05,78.89 111.05,89.28 115.62,93.85 117.68,93.85 123.77,99.95 123.77,101.52 v1(123.06,102.23)
  BOTTOM w0.127: v1(123.06,102.23) 121.51,103.78 121.51,111.35 126.62,116.46 126.62,141.86 125.86,142.62 v1(125.86,142.75)
PB5: length 114.5
  TOP w0.127: v1(44.7,153.03) 45.02,153.35 45.02,153.97 45.73,154.69 CN5.4 ; v5(84.61,137.21) 84.09,137.21 U4.A8 ; R119.2 34.92,102.11 33.53,102.11 33.27,102.36 33.27,102.82 31.7,104.39 v1(31.7,104.52)
  L4_SIG w0.102: v5(84.61,137.21) 84.12,137.69 80.62,137.69 80.01,138.3 80.01,138.59 79.67,138.93 79.46,138.93 78.49,139.91 78.49,140.67 77.62,141.53 77.62,141.78 77.36,142.04 77.09,142.04 76.78,142.35 76.78,142.67 70.87,148.59 67.92,148.59 65.91,150.6 53.98,150.6 51.41,153.16 44.83,153.16 v1(44.7,153.03) 44.25,152.58 41.81,152.58 36.2,146.96 36.2,145.52 33.96,143.28 33.96,139.5 34.37,139.09 34.37,129.04 32,126.68 32,119.38 34.54,116.84 34.54,112.52 31.7,109.68 v1(31.7,104.52)
